# Altium PCB TD4_CPU.PcbDoc (part 2 of 3)
Units mil, origin at the board's own origin, x right, y up, seen from the top; angles counter-clockwise.
Board outline 4020 x 7560 mil, 2 copper layers (Top Layer, Bottom Layer); 361 components, 295 nets, 1160 pads, 333 vias.
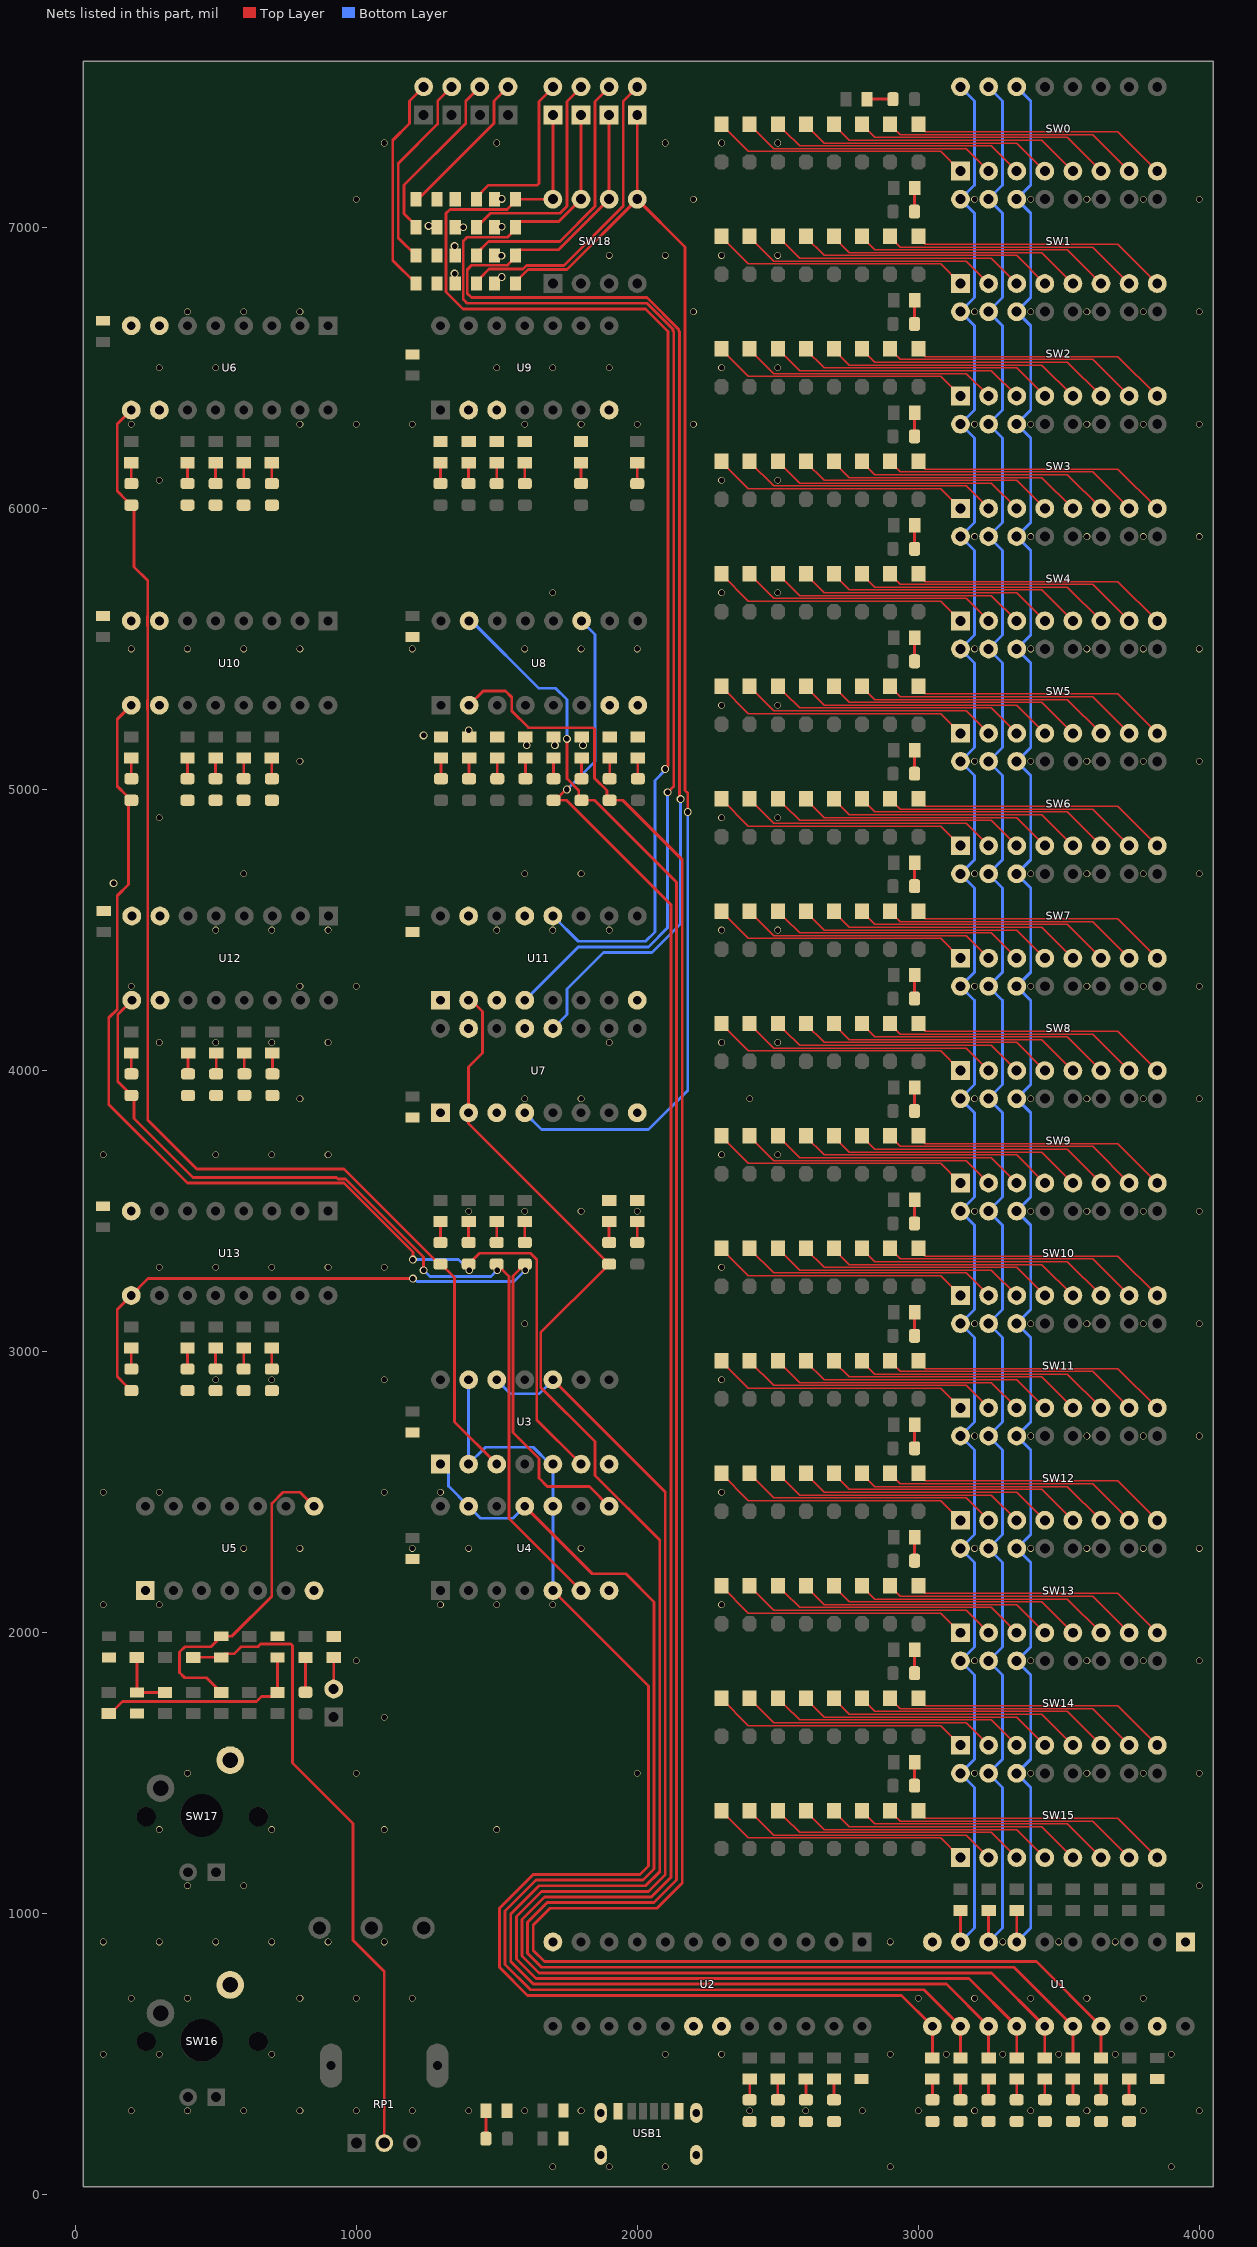
[diagram p2: the nets of this part, all layers, seen from the top]

## Via types
v1: diameter 23.62, hole 19.68, Top Layer to Bottom Layer, tented both sides, 253 vias
v2: diameter 27.56, hole 19.68, Top Layer to Bottom Layer, tented both sides, 77 vias
v3: diameter 39.37, hole 27.56, Top Layer to Bottom Layer, tented both sides, 3 vias

## Nets (pads, with @x,y where several pads share a name; then routed paths per layer and width w, separated by ;. In a path a pad name is that pad's centre, name@x,y a point inside that pad or via, vN(x,y) a via of type N, cw(c..) or ccw(c..) an arc to the next point about the centre after c; other vN are vias at no path point) (continued)
Data1: LED45.1 R26.2 U1.17 U8.2 | length 7738.7
  Top Layer w10: U8.2@1402,5300 1452,5350 1531.7,5350 1553.7,5328 1553.7,5279.39 1613.09,5220 1842.39,5220 1848.25,5214.14 1848.25,5040.28 1891.93,4996.6 1891.93,4971.67 LED45.1@1902,4961.6 1948.4,4961.6 2160,4750 2160,4630 2160,1110 2070,1020 1690,1020 1630,960 1630,870 1670,830 3420,830 U1.17@3650,600 R26.2@3650,487.4
Data2: LED52.1 R28.2 U1.16 U8.15 | length 7715
  Top Layer w10: v2(1750,5180) 1750,5038.53 1791.93,4996.6 1791.93,4971.67 LED52.1@1802,4961.6 1848.25,4961.6 2140,4669.85 2140,1120 2060,1040 1680,1040 1610,970 1610,860 1660,810 3340,810 U1.16@3550,600 R28.2@3550,487.4
  Bottom Layer w10: U8.15@1402,5600 1410.52,5591.48 1418.52,5591.48 1650,5360 1710,5360 1750,5320 v2(1750,5180)
Data3: LED59.1 R31.2 U1.15 U8.11 | length 7564
  Top Layer w10: LED59.1@1702,4961.6 LED59.1@1709.3,4961.6 ; v2@1757.54,5009.13 v2@1750,5001.6 ; R31.2@3450,487.4 U1.15@3450,600 3260,790 1660,790 1650,790 1590,850 1590,980 1670,1060 2050,1060 2120,1130 2120,4590 1748.4,4961.6 LED59.1@1709.3,4961.6 ; LED59.1@1709.3,4961.6 1745.4,4997.7 1745.4,5000 v2@1748.4,5000 ; v2@1748.4,5000 v2@1750,5001.6 ; v2@1748.4,5000 v2(1750,5000) v2@1750,5001.6
  Bottom Layer w10: v2(1750,5000) 1850,5100 1850,5552 U8.11@1802,5600
Data4: R34.2 U1.14 U3.10 U3.12 | length 4901.2
  Top Layer w10: U3.10@1700,2900 2100,2500 2100,1140 2040,1080 1660,1080 1570,990 1570,840 1640,770 1660,770 3180,770 U1.14@3350,600 R34.2@3350,487.4
  Bottom Layer w10: U3.12@1500,2900 1550,2850 1650,2850 U3.10@1700,2900
Data5: LED34.1 R37.2 U1.13 U7.2 U11.2 | length 6302
  Top Layer w10: U11.2@1400,4250 1410,4250 1450,4210 1450,4062.7 1400,4012.7 U7.2@1400,3850 1400,3811.6 LED34.1@1900,3311.6 1897.71,3311.6 1883.09,3296.98 1883.09,3294.69 1656.46,3068.06 1656.46,2873.54 1850,2680 1850,2560.05 2080,2330.05 2080,1150 2030,1100 1650,1100 1550,1000 1550,830 1630,750 1660,750 3100,750 U1.13@3250,600 R37.2@3250,487.4
Data6: R39.2 U1.12 U3.1 U4.11 U4.13 | length 4583.3
  Top Layer w10: U4.11@1600,2450 1840,2210 1960,2210 2060,2110 2060,1160 2020,1120 1640,1120 1530,1010 1530,820 1620,730 1660,730 3020,730 U1.12@3150,600 R39.2@3150,487.4
  Bottom Layer w10: U3.1@1300,2600 1328.46,2571.54 1328.46,2521.54 U4.13@1400,2450 1442.46,2407.54 1557.54,2407.54 U4.11@1600,2450
Data7: R40.2 U1.11 U3.2 U3.5 U3.13 U4.5 U4.10 | length 4762.1
  Top Layer w10: U4.5@1700,2150 2040,1810 2040,1170 2010,1140 1630.25,1140 1510,1019.75 1510,810 1610,710 1660,710 2940,710 U1.11@3050,600 R40.2@3050,487.4
  Bottom Layer w10: U3.13@1400,2900 U3.2@1400,2600 1460,2660 1630,2660 1690,2600 U3.5@1700,2600 U4.10@1700,2450 U4.5@1700,2150
GND: C1.1 C2.1 C3.1 C4.1 C5.1 C6.1 C7.1 C8.1 C9.1 C10.1 C11.1 C12.1 C13.1 C14.1 C15.1 C16.1 C18.1 LED16.2 LED17.2 LED19.2 LED21.2 LED22.2 LED24.2 LED25.2 LED27.2 LED28.2 LED29.2 LED30.2 LED31.2 LED41.2 LED42.2 LED48.2 LED49.2 LED55.2 LED56.2 LED62.2 LED63.2 LED66.2 LED67.2 LED68.2 LED69.2 LED70.2 LED71.2 LED72.2 LED73.2 R42.1 R43.1 R44.1 R46.1 R47.1 R48.1 R49.1 R52.1 R53.1 R54.1 R55.1 R56.1 R59.1 R60.1 R61.1 R62.1 R63.1 R66.1 R67.1 R68.1 R69.1 R70.1 R73.1 R74.1 R85.2 R86.2 R87.2 R88.2 R97.1 SW16.2 SW17.2 U1.1 U1.10 U1.19 U2.12 U2.18 U2.19 U3.7 U4.7 U5.1 U5.7 U6.7 U6.8 U6.10 U7.1 U7.3 U7.8 U7.13 U7.15 U8.7 U8.8 U9.2 U9.3 U9.7 U10.7 U10.8 U10.10 U11.1 U11.3 U11.8 U11.13 U11.15 U12.7 U12.8 U12.10 U13.8 USB1.0 USB1.A12 USB1.B12
  other v1: 1700,100 1900,100 2100,100 2900,100 3900,100 200,300 400,300 600,300 800,300 1000,300 1200,300 1400,300 1600,300 1800,300 2400,300 2600,300 2800,300 3000,300 3200,300 3400,300 3600,300 3800,300 4000,300 100,500 300,500 700,500 2100,500 2300,500 2900,500 3100,500 3300,500 3500,500 3700,500 3900,500 200,700 400,700 800,700 1000,700 1200,700 3000,700 3200,700 3400,700 3600,700 3800,700 100,900 300,900 500,900 700,900 900,900 1100,900 2900,900 3300,900 3500,900 3700,900 400,1100 600,1100 4000,1100 300,1300 700,1300 1100,1300 1500,1300 400,1500 1000,1500 2000,1500 3200,1500 3400,1500 3600,1500 3800,1500 4000,1500 1100,1700 1000,1900 3200,1900 3400,1900 3600,1900 3800,1900 4000,1900 100,2100 300,2100 1300,2100 1500,2100 1700,2100 2300,2100 600,2300 800,2300 1200,2300 1400,2300 1800,2300 3200,2300 3400,2300 3600,2300 3800,2300 4000,2300 100,2500 300,2500 1100,2500 1300,2500 2300,2500 3200,2700 3400,2700 3600,2700 3800,2700 4000,2700 500,2900 700,2900 1100,2900 2300,2900 1600,3100 3200,3100 3400,3100 3600,3100 3800,3100 4000,3100 300,3300 500,3300 700,3300 900,3300 1100,3300 2300,3300 1400,3500 1600,3500 1800,3500 2000,3500 3200,3500 3400,3500 3600,3500 3800,3500 4000,3500 100,3700 500,3700 700,3700 900,3700 2300,3700 2500,3700 800,3900 1600,3900 1800,3900 2400,3900 3200,3900 3400,3900 3600,3900 3800,3900 4000,3900 300,4100 500,4100 700,4100 900,4100 1900,4100 2300,4100 2500,4100 200,4300 800,4300 1000,4300 3200,4300 3400,4300 3600,4300 3800,4300 4000,4300 500,4500 700,4500 900,4500 1500,4500 1700,4500 1900,4500 2300,4500 2500,4500 600,4700 1600,4700 1800,4700 3200,4700 3400,4700 3600,4700 3800,4700 4000,4700 300,4900 2300,4900 2500,4900 800,5100 3200,5100 3400,5100 3600,5100 3800,5100 4000,5100 2300,5300 2500,5300 200,5500 400,5500 600,5500 800,5500 1200,5500 1600,5500 1800,5500 2000,5500 3200,5500 3400,5500 3600,5500 3800,5500 4000,5500 1700,5700 2300,5700 2500,5700 3200,5900 3400,5900 3600,5900 3800,5900 4000,5900 300,6100 2300,6100 2500,6100 200,6300 800,6300 1000,6300 1200,6300 1600,6300 1800,6300 2000,6300 2200,6300 3200,6300 3400,6300 3600,6300 3800,6300 4000,6300 300,6500 500,6500 1500,6500 1700,6500 1900,6500 2300,6500 2500,6500 400,6700 600,6700 800,6700 2200,6700 3200,6700 3400,6700 3600,6700 3800,6700 4000,6700 1900,6900 2100,6900 2300,6900 2500,6900 1000,7100 2200,7100 3200,7100 3400,7100 3600,7100 3800,7100 4000,7100 1100,7300 1500,7300 2100,7300 2300,7300 2500,7300
  other v2: 137,4666.75 1607,5157.72 1707,5157.72 1807,5157.72 1240,5192.4 1401,5211 1517.59,6823.32 1350,6835.59 1517,6899 1350,6933.51 1380.62,7000 1518,7002 1257.72,7005 1517.59,7101
IN_0: LED44.1 R88.1 SW18.5 U7.4 | length 4768.6
  Top Layer w10: R88.1@1567.4,6800 1567.4,6805.91 1611.5,6850 1750,6850 SW18.5@2000,7100 ; LED44.1@2002,7400 2000,7398 SW18.5@2000,7100 ; v2(2180,4920) 2180,4986.6 2170,4996.6 2170,6930 SW18.5@2000,7100
  Bottom Layer w10: U7.4@1600,3850 1660,3790 2040,3790 2180,3930 v2(2180,4920)
IN_1: LED51.1 R87.1 SW18.6 U7.12 | length 4573.9
  Top Layer w10: LED51.1@1902,7400 1900,7398 SW18.6@1900,7100 1720.59,6920.59 1582.09,6920.59 1567.4,6905.91 1567.4,6894.09 1538.72,6865.41 1411.41,6865.41 1395.28,6849.28 1395.28,6764.72 1410,6750 2034.62,6750 2147.55,6637.07 2147.55,6632.04 2150,6629.6 2150,4996.6 v2@2150,4975
  Bottom Layer w10: U7.12@1700,4150 1750,4200 1750,4290 1880,4420 2051.95,4420 2154,4522.05 v2(2154,4966)
IN_2: LED58.1 R86.1 SW18.7 U11.4 | length 4541
  Top Layer w10: LED58.1@1802,7400 1800,7398 SW18.7@1800,7100 1720.59,7020.59 1582.09,7020.59 1567.4,7005.91 1567.4,6994.09 1538.01,6964.7 1394.7,6964.7 1381.28,6951.28 1381.28,6743.42 1394.7,6730 2034.82,6730 2127.55,6637.27 2127.55,6632.25 2130,6629.8 2130,5011 2129,5011 v2(2108,4990)
  Bottom Layer w10: U11.4@1600,4250 1790,4440 2040,4440 2108,4508 v2(2108,4990)
IN_3: LED65.1 R85.1 SW18.8 U11.12 | length 4403.4
  Top Layer w10: LED65.1@1702,7400 1700,7398 SW18.8@1700,7100 R85.1@1567.4,7100 1567.4,7094.09 1537.31,7064 1334,7064 1320,7050 1320,6770 1380,6710 2030,6710 2110,6630 2110,5084 v2(2099,5073)
  Bottom Layer w10: U11.12@1700,4550 1790,4460 2030,4460 2062.82,4492.82 2062.82,5032.31 2099,5068.49 v2(2099,5073)
L\o\a\d\0\: LED18.2 LED75.2 U3.3 U6.9 | length 4643.8
  Top Layer w10: U6.9@200,6350 150,6300 150,6061.6 183.09,6028.51 183.09,6026.22 197.71,6011.6 LED75.2@200,6011.6 210,6001.6 210,5791.95 258.46,5743.48 258.46,5618.52 257.54,5617.59 257.54,5582.41 258.46,5581.48 258.46,5318.52 257.54,5317.59 257.54,5282.41 258.46,5281.48 258.46,3824.54 433,3650 956.6,3650 1295,3311.6 LED18.2@1300,3311.6 1302.29,3311.6 1350,3263.89 1350,2750 U3.3@1500,2600
L\o\a\d\1\: LED20.2 LED76.2 U3.6 U10.9 | length 4073.3
  Top Layer w10: LED76.2@183.09,4978.51 150,5011.6 150,5250 U10.9@200,5300 ; LED76.2@200,4961.6 190,4951.6 190,4661.95 150,4621.95 150,4217.8 120,4187.8 120,3880 400,3600 956.6,3600 1202,3354.6 v2(1202,3327.54) ; LED20.2@1400,3311.6 1438.4,3350 1620,3350 1642.46,3327.54 1642.46,2757.54 U3.6@1800,2600
  Bottom Layer w10: v2(1202,3327.54) 1364.46,3327.54 v2(1402,3290)
L\o\a\d\2\: LED23.2 LED77.2 U4.6 U12.9 | length 3289.2
  Top Layer w10: LED77.2@185.09,3928.51 152,3961.6 152,4200 U12.9@202,4250 ; LED77.2@200,3911.6 210,3901.6 210,3830 420,3620 930,3620 936,3614 962.4,3614 1240,3336.4 v2(1240,3290) ; LED23.2@1500,3311.6 1543.54,3268.06 1543.54,2406.46 U4.6@1800,2150
  Bottom Layer w10: v2(1240,3290) 1262.78,3267.22 1479.22,3267.22 v2(1502,3290)
L\o\a\d\3\: LED26.2 LED78.2 U4.8 U13.9 | length 2912.4
  Top Layer w10: LED78.2@183.09,2878.51 150,2911.6 150,3150 U13.9@200,3200 260,3260 v2(1202,3260) ; LED26.2@1600,3311.6 1557.54,3269.13 1557.54,2712.46 1650,2620 1650,2550 1680,2520 1830,2520 U4.8@1900,2450
  Bottom Layer w10: v2(1202,3260) 1206.75,3260 1216.75,3250 1562,3250 v2(1602,3290)
NetC16_2: C16.2 R76.2 R77.1 | length 225.2
  Top Layer w10: R77.1@220,1912.6 C16.2@220,1787.4 R76.2@320,1787.4
NetC17_1: C17.1 R81.1 U5.8 | length 1184.5
  Top Layer w10: R81.1@525.91,1787.4 R81.1@520,1787.4 467.4,1840 390,1840 372,1858 372,1932 390,1950 482.59,1950 C17.1@520,1987.4 557.4,1987.4 700,2130 700,2460.05 739.95,2500 800,2500 U5.8@850,2450
NetC17_2: C17.2 R80.1 RP1.2 | length 2280.8
  Top Layer w10: R80.1@420,1912.6 C17.2@520,1912.6 532.5,1925.1 565.1,1925.1 590,1950 650,1950 660,1960 768.14,1960 774,1954.14 774,1537.02 989.08,1321.94 989.08,905.88 1100,794.96 RP1.2@1100,184.41
NetC18_2: C18.2 R83.2 R84.1 | length 756.2
  Top Layer w10: R84.1@120,1712.6 125.91,1712.6 168.59,1755.28 645.89,1755.28 663.32,1772.72 705.31,1772.72 R83.2@720,1787.4 C18.2@720,1912.6
NetD1_1: D1.1 SW0.1 | length 920.8
  Top Layer w5: D1.1@2300,7367.5 2300,7365 2395,7270 3080,7270 SW0.1@3150,7200
NetD2_1: D2.1 SW0.2 | length 920.8
  Top Layer w5: D2.1@2400,7367.5 2400,7365 2485,7280 3170,7280 SW0.2@3250,7200
NetD3_1: D3.1 SW0.3 | length 920.8
  Top Layer w5: D3.1@2500,7367.5 2500,7365 2522.5,7342.5 2525,7342.5 2577.5,7290 3260,7290 SW0.3@3350,7200
NetD4_1: D4.1 SW0.4 | length 920.8
  Top Layer w5: D4.1@2600,7367.5 2600,7365 2665,7300 3350,7300 SW0.4@3450,7200
NetD5_1: D5.1 SW0.5 | length 920.8
  Top Layer w5: D5.1@2700,7367.5 2700,7365 2755,7310 3440,7310 SW0.5@3550,7200
NetD6_1: D6.1 SW0.6 | length 920.8
  Top Layer w5: D6.1@2800,7367.5 2800,7365 2845,7320 3530,7320 SW0.6@3650,7200
NetD7_1: D7.1 SW0.7 | length 920.8
  Top Layer w5: D7.1@2900,7367.5 2900,7365 2935,7330 3620,7330 SW0.7@3750,7200
NetD8_1: D8.1 SW0.8 | length 920.8
  Top Layer w5: D8.1@3000,7367.5 3000,7365 3025,7340 3710,7340 SW0.8@3850,7200
NetD9_1: D9.1 SW1.1 | length 920.8
  Top Layer w5: D9.1@2300,6967.5 2300,6965 2395,6870 3080,6870 SW1.1@3150,6800
NetD10_1: D10.1 SW1.2 | length 920.8
  Top Layer w5: D10.1@2400,6967.5 2400,6965 2485,6880 3170,6880 SW1.2@3250,6800
NetD11_1: D11.1 SW1.3 | length 920.8
  Top Layer w5: D11.1@2500,6967.5 2500,6965 2522.5,6942.5 2525,6942.5 2577.5,6890 3260,6890 SW1.3@3350,6800
NetD12_1: D12.1 SW1.4 | length 920.8
  Top Layer w5: D12.1@2600,6967.5 2600,6965 2665,6900 3350,6900 SW1.4@3450,6800
NetD13_1: D13.1 SW1.5 | length 920.8
  Top Layer w5: D13.1@2700,6967.5 2700,6965 2755,6910 3440,6910 SW1.5@3550,6800
NetD14_1: D14.1 SW1.6 | length 920.8
  Top Layer w5: D14.1@2800,6967.5 2800,6965 2845,6920 3530,6920 SW1.6@3650,6800
NetD15_1: D15.1 SW1.7 | length 920.8
  Top Layer w5: D15.1@2900,6967.5 2900,6965 2935,6930 3620,6930 SW1.7@3750,6800
NetD16_1: D16.1 SW1.8 | length 920.8
  Top Layer w5: D16.1@3000,6967.5 3000,6965 3025,6940 3710,6940 SW1.8@3850,6800
NetD17_1: D17.1 SW2.1 | length 920.8
  Top Layer w5: D17.1@2300,6567.5 2300,6565 2395,6470 3080,6470 SW2.1@3150,6400
NetD18_1: D18.1 SW2.2 | length 920.8
  Top Layer w5: D18.1@2400,6567.5 2400,6565 2485,6480 3170,6480 SW2.2@3250,6400
NetD19_1: D19.1 SW2.3 | length 920.8
  Top Layer w5: D19.1@2500,6567.5 2500,6565 2522.5,6542.5 2525,6542.5 2577.5,6490 3260,6490 SW2.3@3350,6400
NetD20_1: D20.1 SW2.4 | length 920.8
  Top Layer w5: D20.1@2600,6567.5 2600,6565 2665,6500 3350,6500 SW2.4@3450,6400
NetD21_1: D21.1 SW2.5 | length 920.8
  Top Layer w5: D21.1@2700,6567.5 2700,6565 2755,6510 3440,6510 SW2.5@3550,6400
NetD22_1: D22.1 SW2.6 | length 920.8
  Top Layer w5: D22.1@2800,6567.5 2800,6565 2845,6520 3530,6520 SW2.6@3650,6400
NetD23_1: D23.1 SW2.7 | length 920.8
  Top Layer w5: D23.1@2900,6567.5 2900,6565 2935,6530 3620,6530 SW2.7@3750,6400
NetD24_1: D24.1 SW2.8 | length 920.8
  Top Layer w5: D24.1@3000,6567.5 3000,6565 3025,6540 3710,6540 SW2.8@3850,6400
NetD25_1: D25.1 SW3.1 | length 920.8
  Top Layer w5: D25.1@2300,6167.5 2300,6165 2395,6070 3080,6070 SW3.1@3150,6000
NetD26_1: D26.1 SW3.2 | length 920.8
  Top Layer w5: D26.1@2400,6167.5 2400,6165 2485,6080 3170,6080 SW3.2@3250,6000
NetD27_1: D27.1 SW3.3 | length 920.8
  Top Layer w5: D27.1@2500,6167.5 2500,6165 2522.5,6142.5 2525,6142.5 2577.5,6090 3260,6090 SW3.3@3350,6000
NetD28_1: D28.1 SW3.4 | length 920.8
  Top Layer w5: D28.1@2600,6167.5 2600,6165 2665,6100 3350,6100 SW3.4@3450,6000
NetD29_1: D29.1 SW3.5 | length 920.8
  Top Layer w5: D29.1@2700,6167.5 2700,6165 2755,6110 3440,6110 SW3.5@3550,6000
NetD30_1: D30.1 SW3.6 | length 920.8
  Top Layer w5: D30.1@2800,6167.5 2800,6165 2845,6120 3530,6120 SW3.6@3650,6000
NetD31_1: D31.1 SW3.7 | length 920.8
  Top Layer w5: D31.1@2900,6167.5 2900,6165 2935,6130 3620,6130 SW3.7@3750,6000
NetD32_1: D32.1 SW3.8 | length 920.8
  Top Layer w5: D32.1@3000,6167.5 3000,6165 3025,6140 3710,6140 SW3.8@3850,6000
NetD33_1: D33.1 SW4.1 | length 920.8
  Top Layer w5: D33.1@2300,5767.5 2300,5765 2395,5670 3080,5670 SW4.1@3150,5600
NetD34_1: D34.1 SW4.2 | length 920.8
  Top Layer w5: D34.1@2400,5767.5 2400,5765 2485,5680 3170,5680 SW4.2@3250,5600
NetD35_1: D35.1 SW4.3 | length 920.8
  Top Layer w5: D35.1@2500,5767.5 2500,5765 2522.5,5742.5 2525,5742.5 2577.5,5690 3260,5690 SW4.3@3350,5600
NetD36_1: D36.1 SW4.4 | length 920.8
  Top Layer w5: D36.1@2600,5767.5 2600,5765 2665,5700 3350,5700 SW4.4@3450,5600
NetD37_1: D37.1 SW4.5 | length 920.8
  Top Layer w5: D37.1@2700,5767.5 2700,5765 2755,5710 3440,5710 SW4.5@3550,5600
NetD38_1: D38.1 SW4.6 | length 920.8
  Top Layer w5: D38.1@2800,5767.5 2800,5765 2845,5720 3530,5720 SW4.6@3650,5600
NetD39_1: D39.1 SW4.7 | length 920.8
  Top Layer w5: D39.1@2900,5767.5 2900,5765 2935,5730 3620,5730 SW4.7@3750,5600
NetD40_1: D40.1 SW4.8 | length 920.8
  Top Layer w5: D40.1@3000,5767.5 3000,5765 3025,5740 3710,5740 SW4.8@3850,5600
NetD41_1: D41.1 SW5.1 | length 920.8
  Top Layer w5: D41.1@2300,5367.5 2300,5365 2395,5270 3080,5270 SW5.1@3150,5200
NetD42_1: D42.1 SW5.2 | length 920.8
  Top Layer w5: D42.1@2400,5367.5 2400,5365 2485,5280 3170,5280 SW5.2@3250,5200
NetD43_1: D43.1 SW5.3 | length 920.8
  Top Layer w5: D43.1@2500,5367.5 2500,5365 2522.5,5342.5 2525,5342.5 2577.5,5290 3260,5290 SW5.3@3350,5200
NetD44_1: D44.1 SW5.4 | length 920.8
  Top Layer w5: D44.1@2600,5367.5 2600,5365 2665,5300 3350,5300 SW5.4@3450,5200
NetD45_1: D45.1 SW5.5 | length 920.8
  Top Layer w5: D45.1@2700,5367.5 2700,5365 2755,5310 3440,5310 SW5.5@3550,5200
NetD46_1: D46.1 SW5.6 | length 920.8
  Top Layer w5: D46.1@2800,5367.5 2800,5365 2845,5320 3530,5320 SW5.6@3650,5200
NetD47_1: D47.1 SW5.7 | length 920.8
  Top Layer w5: D47.1@2900,5367.5 2900,5365 2935,5330 3620,5330 SW5.7@3750,5200
NetD48_1: D48.1 SW5.8 | length 920.8
  Top Layer w5: D48.1@3000,5367.5 3000,5365 3025,5340 3710,5340 SW5.8@3850,5200
NetD49_1: D49.1 SW6.1 | length 920.8
  Top Layer w5: D49.1@2300,4967.5 2300,4965 2395,4870 3080,4870 SW6.1@3150,4800
NetD50_1: D50.1 SW6.2 | length 920.8
  Top Layer w5: D50.1@2400,4967.5 2400,4965 2485,4880 3170,4880 SW6.2@3250,4800
NetD51_1: D51.1 SW6.3 | length 920.8
  Top Layer w5: D51.1@2500,4967.5 2500,4965 2522.5,4942.5 2525,4942.5 2577.5,4890 3260,4890 SW6.3@3350,4800
NetD52_1: D52.1 SW6.4 | length 920.8
  Top Layer w5: D52.1@2600,4967.5 2600,4965 2665,4900 3350,4900 SW6.4@3450,4800
NetD53_1: D53.1 SW6.5 | length 920.8
  Top Layer w5: D53.1@2700,4967.5 2700,4965 2755,4910 3440,4910 SW6.5@3550,4800
NetD54_1: D54.1 SW6.6 | length 920.8
  Top Layer w5: D54.1@2800,4967.5 2800,4965 2845,4920 3530,4920 SW6.6@3650,4800
NetD55_1: D55.1 SW6.7 | length 920.8
  Top Layer w5: D55.1@2900,4967.5 2900,4965 2935,4930 3620,4930 SW6.7@3750,4800
NetD56_1: D56.1 SW6.8 | length 920.8
  Top Layer w5: D56.1@3000,4967.5 3000,4965 3025,4940 3710,4940 SW6.8@3850,4800
NetD57_1: D57.1 SW7.1 | length 920.8
  Top Layer w5: D57.1@2300,4567.5 2300,4565 2395,4470 3080,4470 SW7.1@3150,4400
NetD58_1: D58.1 SW7.2 | length 920.8
  Top Layer w5: D58.1@2400,4567.5 2400,4565 2485,4480 3170,4480 SW7.2@3250,4400
NetD59_1: D59.1 SW7.3 | length 920.8
  Top Layer w5: D59.1@2500,4567.5 2500,4565 2522.5,4542.5 2525,4542.5 2577.5,4490 3260,4490 SW7.3@3350,4400
NetD60_1: D60.1 SW7.4 | length 920.8
  Top Layer w5: D60.1@2600,4567.5 2600,4565 2665,4500 3350,4500 SW7.4@3450,4400
NetD61_1: D61.1 SW7.5 | length 920.8
  Top Layer w5: D61.1@2700,4567.5 2700,4565 2755,4510 3440,4510 SW7.5@3550,4400
NetD62_1: D62.1 SW7.6 | length 920.8
  Top Layer w5: D62.1@2800,4567.5 2800,4565 2845,4520 3530,4520 SW7.6@3650,4400
NetD63_1: D63.1 SW7.7 | length 920.8
  Top Layer w5: D63.1@2900,4567.5 2900,4565 2935,4530 3620,4530 SW7.7@3750,4400
NetD64_1: D64.1 SW7.8 | length 920.8
  Top Layer w5: D64.1@3000,4567.5 3000,4565 3025,4540 3710,4540 SW7.8@3850,4400
NetD65_1: D65.1 SW8.1 | length 920.8
  Top Layer w5: D65.1@2300,4167.5 2300,4165 2395,4070 3080,4070 SW8.1@3150,4000
NetD66_1: D66.1 SW8.2 | length 920.8
  Top Layer w5: D66.1@2400,4167.5 2400,4165 2485,4080 3170,4080 SW8.2@3250,4000
NetD67_1: D67.1 SW8.3 | length 920.8
  Top Layer w5: D67.1@2500,4167.5 2500,4165 2522.5,4142.5 2525,4142.5 2577.5,4090 3260,4090 SW8.3@3350,4000
NetD68_1: D68.1 SW8.4 | length 920.8
  Top Layer w5: D68.1@2600,4167.5 2600,4165 2665,4100 3350,4100 SW8.4@3450,4000
NetD69_1: D69.1 SW8.5 | length 920.8
  Top Layer w5: D69.1@2700,4167.5 2700,4165 2755,4110 3440,4110 SW8.5@3550,4000
NetD70_1: D70.1 SW8.6 | length 920.8
  Top Layer w5: D70.1@2800,4167.5 2800,4165 2845,4120 3530,4120 SW8.6@3650,4000
NetD71_1: D71.1 SW8.7 | length 920.8
  Top Layer w5: D71.1@2900,4167.5 2900,4165 2935,4130 3620,4130 SW8.7@3750,4000
NetD72_1: D72.1 SW8.8 | length 920.8
  Top Layer w5: D72.1@3000,4167.5 3000,4165 3025,4140 3710,4140 SW8.8@3850,4000
NetD73_1: D73.1 SW9.1 | length 920.8
  Top Layer w5: D73.1@2300,3767.5 2300,3765 2395,3670 3080,3670 SW9.1@3150,3600
NetD74_1: D74.1 SW9.2 | length 920.8
  Top Layer w5: D74.1@2400,3767.5 2400,3765 2485,3680 3170,3680 SW9.2@3250,3600
NetD75_1: D75.1 SW9.3 | length 920.8
  Top Layer w5: D75.1@2500,3767.5 2500,3765 2522.5,3742.5 2525,3742.5 2577.5,3690 3260,3690 SW9.3@3350,3600
NetD76_1: D76.1 SW9.4 | length 920.8
  Top Layer w5: D76.1@2600,3767.5 2600,3765 2665,3700 3350,3700 SW9.4@3450,3600
NetD77_1: D77.1 SW9.5 | length 920.8
  Top Layer w5: D77.1@2700,3767.5 2700,3765 2755,3710 3440,3710 SW9.5@3550,3600
NetD78_1: D78.1 SW9.6 | length 920.8
  Top Layer w5: D78.1@2800,3767.5 2800,3765 2845,3720 3530,3720 SW9.6@3650,3600
NetD79_1: D79.1 SW9.7 | length 920.8
  Top Layer w5: D79.1@2900,3767.5 2900,3765 2935,3730 3620,3730 SW9.7@3750,3600
NetD80_1: D80.1 SW9.8 | length 920.8
  Top Layer w5: D80.1@3000,3767.5 3000,3765 3025,3740 3710,3740 SW9.8@3850,3600
NetD81_1: D81.1 SW10.1 | length 920.8
  Top Layer w5: D81.1@2300,3367.5 2300,3365 2395,3270 3080,3270 SW10.1@3150,3200
NetD82_1: D82.1 SW10.2 | length 920.8
  Top Layer w5: D82.1@2400,3367.5 2400,3365 2485,3280 3170,3280 SW10.2@3250,3200
NetD83_1: D83.1 SW10.3 | length 920.8
  Top Layer w5: D83.1@2500,3367.5 2500,3365 2522.5,3342.5 2525,3342.5 2577.5,3290 3260,3290 SW10.3@3350,3200
NetD84_1: D84.1 SW10.4 | length 920.8
  Top Layer w5: D84.1@2600,3367.5 2600,3365 2665,3300 3350,3300 SW10.4@3450,3200
NetD85_1: D85.1 SW10.5 | length 920.8
  Top Layer w5: D85.1@2700,3367.5 2700,3365 2755,3310 3440,3310 SW10.5@3550,3200
NetD86_1: D86.1 SW10.6 | length 920.8
  Top Layer w5: D86.1@2800,3367.5 2800,3365 2845,3320 3530,3320 SW10.6@3650,3200
NetD87_1: D87.1 SW10.7 | length 920.8
  Top Layer w5: D87.1@2900,3367.5 2900,3365 2935,3330 3620,3330 SW10.7@3750,3200
NetD88_1: D88.1 SW10.8 | length 920.8
  Top Layer w5: D88.1@3000,3367.5 3000,3365 3025,3340 3710,3340 SW10.8@3850,3200
NetD89_1: D89.1 SW11.1 | length 920.8
  Top Layer w5: D89.1@2300,2967.5 2300,2965 2395,2870 3080,2870 SW11.1@3150,2800
NetD90_1: D90.1 SW11.2 | length 920.8
  Top Layer w5: D90.1@2400,2967.5 2400,2965 2485,2880 3170,2880 SW11.2@3250,2800
NetD91_1: D91.1 SW11.3 | length 920.8
  Top Layer w5: D91.1@2500,2967.5 2500,2965 2522.5,2942.5 2525,2942.5 2577.5,2890 3260,2890 SW11.3@3350,2800
NetD92_1: D92.1 SW11.4 | length 920.8
  Top Layer w5: D92.1@2600,2967.5 2600,2965 2665,2900 3350,2900 SW11.4@3450,2800
NetD93_1: D93.1 SW11.5 | length 920.8
  Top Layer w5: D93.1@2700,2967.5 2700,2965 2755,2910 3440,2910 SW11.5@3550,2800
NetD94_1: D94.1 SW11.6 | length 920.8
  Top Layer w5: D94.1@2800,2967.5 2800,2965 2845,2920 3530,2920 SW11.6@3650,2800
NetD95_1: D95.1 SW11.7 | length 920.8
  Top Layer w5: D95.1@2900,2967.5 2900,2965 2935,2930 3620,2930 SW11.7@3750,2800
NetD96_1: D96.1 SW11.8 | length 920.8
  Top Layer w5: D96.1@3000,2967.5 3000,2965 3025,2940 3710,2940 SW11.8@3850,2800
NetD97_1: D97.1 SW12.1 | length 920.8
  Top Layer w5: D97.1@2300,2567.5 2300,2565 2395,2470 3080,2470 SW12.1@3150,2400
NetD98_1: D98.1 SW12.2 | length 920.8
  Top Layer w5: D98.1@2400,2567.5 2400,2565 2485,2480 3170,2480 SW12.2@3250,2400
NetD99_1: D99.1 SW12.3 | length 920.8
  Top Layer w5: D99.1@2500,2567.5 2500,2565 2522.5,2542.5 2525,2542.5 2577.5,2490 3260,2490 SW12.3@3350,2400
NetD100_1: D100.1 SW12.4 | length 920.8
  Top Layer w5: D100.1@2600,2567.5 2600,2565 2665,2500 3350,2500 SW12.4@3450,2400
NetD101_1: D101.1 SW12.5 | length 920.8
  Top Layer w5: D101.1@2700,2567.5 2700,2565 2755,2510 3440,2510 SW12.5@3550,2400
NetD102_1: D102.1 SW12.6 | length 920.8
  Top Layer w5: D102.1@2800,2567.5 2800,2565 2845,2520 3530,2520 SW12.6@3650,2400
NetD103_1: D103.1 SW12.7 | length 920.8
  Top Layer w5: D103.1@2900,2567.5 2900,2565 2935,2530 3620,2530 SW12.7@3750,2400
NetD104_1: D104.1 SW12.8 | length 920.8
  Top Layer w5: D104.1@3000,2567.5 3000,2565 3025,2540 3710,2540 SW12.8@3850,2400
NetD105_1: D105.1 SW13.1 | length 920.8
  Top Layer w5: D105.1@2300,2167.5 2300,2165 2395,2070 3080,2070 SW13.1@3150,2000
NetD106_1: D106.1 SW13.2 | length 920.8
  Top Layer w5: D106.1@2400,2167.5 2400,2165 2485,2080 3170,2080 SW13.2@3250,2000
NetD107_1: D107.1 SW13.3 | length 920.8
  Top Layer w5: D107.1@2500,2167.5 2500,2165 2522.5,2142.5 2525,2142.5 2577.5,2090 3260,2090 SW13.3@3350,2000
NetD108_1: D108.1 SW13.4 | length 920.8
  Top Layer w5: D108.1@2600,2167.5 2600,2165 2665,2100 3350,2100 SW13.4@3450,2000
NetD109_1: D109.1 SW13.5 | length 920.8
  Top Layer w5: D109.1@2700,2167.5 2700,2165 2755,2110 3440,2110 SW13.5@3550,2000
NetD110_1: D110.1 SW13.6 | length 920.8
  Top Layer w5: D110.1@2800,2167.5 2800,2165 2845,2120 3530,2120 SW13.6@3650,2000
NetD111_1: D111.1 SW13.7 | length 920.8
  Top Layer w5: D111.1@2900,2167.5 2900,2165 2935,2130 3620,2130 SW13.7@3750,2000
NetD112_1: D112.1 SW13.8 | length 920.8
  Top Layer w5: D112.1@3000,2167.5 3000,2165 3025,2140 3710,2140 SW13.8@3850,2000
NetD113_1: D113.1 SW14.1 | length 920.8
  Top Layer w5: D113.1@2300,1767.5 2300,1765 2395,1670 3080,1670 SW14.1@3150,1600
NetD114_1: D114.1 SW14.2 | length 920.8
  Top Layer w5: D114.1@2400,1767.5 2400,1765 2485,1680 3170,1680 SW14.2@3250,1600
NetD115_1: D115.1 SW14.3 | length 920.8
  Top Layer w5: D115.1@2500,1767.5 2500,1765 2522.5,1742.5 2525,1742.5 2577.5,1690 3260,1690 SW14.3@3350,1600
NetD116_1: D116.1 SW14.4 | length 920.8
  Top Layer w5: D116.1@2600,1767.5 2600,1765 2665,1700 3350,1700 SW14.4@3450,1600
NetD117_1: D117.1 SW14.5 | length 920.8
  Top Layer w5: D117.1@2700,1767.5 2700,1765 2755,1710 3440,1710 SW14.5@3550,1600
NetD118_1: D118.1 SW14.6 | length 920.8
  Top Layer w5: D118.1@2800,1767.5 2800,1765 2845,1720 3530,1720 SW14.6@3650,1600
NetD119_1: D119.1 SW14.7 | length 920.8
  Top Layer w5: D119.1@2900,1767.5 2900,1765 2935,1730 3620,1730 SW14.7@3750,1600
NetD120_1: D120.1 SW14.8 | length 920.8
  Top Layer w5: D120.1@3000,1767.5 3000,1765 3025,1740 3710,1740 SW14.8@3850,1600
NetD121_1: D121.1 SW15.1 | length 920.8
  Top Layer w5: D121.1@2300,1367.5 2300,1365 2395,1270 3080,1270 SW15.1@3150,1200
NetD122_1: D122.1 SW15.2 | length 920.8
  Top Layer w5: D122.1@2400,1367.5 2400,1365 2485,1280 3170,1280 SW15.2@3250,1200
NetD123_1: D123.1 SW15.3 | length 920.8
  Top Layer w5: D123.1@2500,1367.5 2500,1365 2522.5,1342.5 2525,1342.5 2577.5,1290 3260,1290 SW15.3@3350,1200
NetD124_1: D124.1 SW15.4 | length 920.8
  Top Layer w5: D124.1@2600,1367.5 2600,1365 2665,1300 3350,1300 SW15.4@3450,1200
NetD125_1: D125.1 SW15.5 | length 920.8
  Top Layer w5: D125.1@2700,1367.5 2700,1365 2755,1310 3440,1310 SW15.5@3550,1200
NetD126_1: D126.1 SW15.6 | length 920.8
  Top Layer w5: D126.1@2800,1367.5 2800,1365 2845,1320 3530,1320 SW15.6@3650,1200
NetD127_1: D127.1 SW15.7 | length 920.8
  Top Layer w5: D127.1@2900,1367.5 2900,1365 2935,1330 3620,1330 SW15.7@3750,1200
NetD128_1: D128.1 SW15.8 | length 920.8
  Top Layer w5: D128.1@3000,1367.5 3000,1365 3025,1340 3710,1340 SW15.8@3850,1200
NetLED0_1: LED0.1 R9.1 | length 92.4
  Top Layer w10: R9.1@2817.4,7456.25 LED0.1@2909.85,7456.25
NetLED1_1: LED1.1 R10.1 | length 84.1
  Top Layer w10: LED1.1@2986.65,7056.25 2986.65,7139.25 R10.1@2987.4,7140
NetLED2_1: LED2.1 R11.1 | length 84.1
  Top Layer w10: LED2.1@2986.65,6656.25 2986.65,6739.25 R11.1@2987.4,6740
NetLED3_1: LED3.1 R12.1 | length 84.1
  Top Layer w10: LED3.1@2986.65,6256.25 2986.65,6339.25 R12.1@2987.4,6340
NetLED4_1: LED4.1 R13.1 | length 84.1
  Top Layer w10: LED4.1@2986.65,5856.25 2986.65,5939.25 R13.1@2987.4,5940
NetLED5_1: LED5.1 R14.1 | length 84.1
  Top Layer w10: LED5.1@2986.65,5456.25 2986.65,5539.25 R14.1@2987.4,5540
NetLED6_1: LED6.1 R15.1 | length 84.1
  Top Layer w10: LED6.1@2986.65,5056.25 2986.65,5139.25 R15.1@2987.4,5140
NetLED7_1: LED7.1 R16.1 | length 84.1
  Top Layer w10: LED7.1@2986.65,4656.25 2986.65,4739.25 R16.1@2987.4,4740
NetLED8_1: LED8.1 R17.1 | length 84.1
  Top Layer w10: LED8.1@2986.65,4256.25 2986.65,4339.25 R17.1@2987.4,4340
NetLED9_1: LED9.1 R18.1 | length 84.1
  Top Layer w10: LED9.1@2986.65,3856.25 2986.65,3939.25 R18.1@2987.4,3940
NetLED10_1: LED10.1 R19.1 | length 84.1
  Top Layer w10: LED10.1@2986.65,3456.25 2986.65,3539.25 R19.1@2987.4,3540
NetLED11_1: LED11.1 R20.1 | length 84.1
  Top Layer w10: LED11.1@2986.65,3056.25 2986.65,3139.25 R20.1@2987.4,3140
NetLED12_1: LED12.1 R21.1 | length 84.1
  Top Layer w10: LED12.1@2986.65,2656.25 2986.65,2739.25 R21.1@2987.4,2740
NetLED13_1: LED13.1 R22.1 | length 84.1
  Top Layer w10: LED13.1@2986.65,2256.25 2986.65,2339.25 R22.1@2987.4,2340
NetLED14_1: LED14.1 R23.1 | length 84.1
  Top Layer w10: LED14.1@2986.65,1856.25 2986.65,1939.25 R23.1@2987.4,1940
NetLED15_1: LED15.1 R24.1 | length 84.1
  Top Layer w10: LED15.1@2986.65,1456.25 2986.65,1539.25 R24.1@2987.4,1540
NetLED16_1: LED16.1 R25.1 | length 74.2
  Top Layer w10: LED16.1@3750,338.4 R25.1@3750,412.6
NetLED17_1: LED17.1 R26.1 | length 74.2
  Top Layer w10: LED17.1@3650,338.4 R26.1@3650,412.6
NetLED18_1: LED18.1 R27.1 | length 74.2
  Top Layer w10: LED18.1@1300,3388.4 R27.1@1300,3462.6
NetLED19_1: LED19.1 R28.1 | length 74.2
  Top Layer w10: LED19.1@3550,338.4 R28.1@3550,412.6
NetLED20_1: LED20.1 R29.1 | length 74.2
  Top Layer w10: LED20.1@1400,3388.4 R29.1@1400,3462.6
NetLED21_1: LED21.1 R30.1 | length 74.2
  Top Layer w10: LED21.1@700,2938.4 R30.1@700,3012.6
NetLED22_1: LED22.1 R31.1 | length 74.2
  Top Layer w10: LED22.1@3450,338.4 R31.1@3450,412.6
NetLED23_1: LED23.1 R32.1 | length 74.2
  Top Layer w10: LED23.1@1500,3388.4 R32.1@1500,3462.6
NetLED24_1: LED24.1 R33.1 | length 74.2
  Top Layer w10: LED24.1@600,2938.4 R33.1@600,3012.6
NetLED25_1: LED25.1 R34.1 | length 74.2
  Top Layer w10: LED25.1@3350,338.4 R34.1@3350,412.6
NetLED26_1: LED26.1 R35.1 | length 74.2
  Top Layer w10: LED26.1@1600,3388.4 R35.1@1600,3462.6
NetLED27_1: LED27.1 R36.1 | length 74.2
  Top Layer w10: LED27.1@500,2938.4 R36.1@500,3012.6
NetLED28_1: LED28.1 R37.1 | length 74.2
  Top Layer w10: LED28.1@3250,338.4 R37.1@3250,412.6
NetLED29_1: LED29.1 R38.1 | length 74.2
  Top Layer w10: LED29.1@400,2938.4 R38.1@400,3012.6
NetLED30_1: LED30.1 R39.1 | length 74.2
  Top Layer w10: LED30.1@3150,338.4 R39.1@3150,412.6
NetLED31_1: LED31.1 R40.1 | length 74.2
  Top Layer w10: LED31.1@3050,338.4 R40.1@3050,412.6
NetLED32_1: LED32.1 R41.1 | length 74.2
  Top Layer w10: LED32.1@2000,6088.4 R41.1@2000,6162.6
NetLED33_2: LED33.2 R42.2 | length 74.2
  Top Layer w10: LED33.2@2000,3388.4 R42.2@2000,3462.6
NetLED34_2: LED34.2 R43.2 | length 74.2
  Top Layer w10: LED34.2@1900,3388.4 R43.2@1900,3462.6
NetLED35_2: LED35.2 R44.2 | length 124.2
  Top Layer w10: LED35.2@920,1788.4 R44.2@920,1912.6
NetLED36_1: LED36.1 R45.2 | length 124.2
  Top Layer w10: LED36.1@820,1788.4 R45.2@820,1912.6
NetLED37_2: LED37.2 R46.2 | length 74.2
  Top Layer w10: LED37.2@1800,6088.4 R46.2@1800,6162.6
NetLED38_2: LED38.2 R47.2 | length 74.2
  Top Layer w10: LED38.2@2002,5038.4 R47.2@2002,5112.6
NetLED39_2: LED39.2 R48.2 | length 74.2
  Top Layer w10: LED39.2@1602,5038.4 R48.2@1602,5112.6
NetLED40_2: LED40.2 R49.2 | length 74.2
  Top Layer w10: LED40.2@1600,6088.4 R49.2@1600,6162.6
NetLED41_1: LED41.1 R50.1 | length 74.2
  Top Layer w10: LED41.1@700,6088.4 R50.1@700,6162.6
NetLED42_1: LED42.1 R51.1 | length 74.2
  Top Layer w10: LED42.1@700,5038.4 R51.1@700,5112.6
NetLED43_2: LED43.2 R52.2 | length 539.7
  Top Layer w10: R52.2@1212.6,7100 1219.65,7100 1490,7370.35 1490,7450.01 LED43.2@1540,7500
NetLED44_2: LED44.2 R53.2 | length 1086.5
  Top Layer w10: R53.2@1427.4,6800 1427.4,6805.91 1442.09,6820.59 1472.91,6851.41 1593.11,6851.41 1605.7,6864 1739,6864 1950,7075 1950,7448 LED44.2@2002,7500
NetLED45_2: LED45.2 R54.2 | length 74.2
  Top Layer w10: LED45.2@1902,5038.4 R54.2@1902,5112.6
NetLED46_2: LED46.2 R55.2 | length 74.2
  Top Layer w10: LED46.2@1502,5038.4 R55.2@1502,5112.6
NetLED47_2: LED47.2 R56.2 | length 74.2
  Top Layer w10: LED47.2@1500,6088.4 R56.2@1500,6162.6
NetLED48_1: LED48.1 R57.1 | length 74.2
  Top Layer w10: LED48.1@600,6088.4 R57.1@600,6162.6
NetLED49_1: LED49.1 R58.1 | length 74.2
  Top Layer w10: LED49.1@600,5038.4 R58.1@600,5112.6
NetLED50_2: LED50.2 R59.2 | length 629.5
  Top Layer w10: R59.2@1212.6,7000 1212.6,7005.91 1170,7048.5 1170,7150 1390,7370 1390,7450.01 LED50.2@1440,7500
NetLED51_2: LED51.2 R60.2 | length 945.1
  Top Layer w10: R60.2@1427.4,6900 1427.4,6905.91 1471.5,6950 1725,6950 1850,7075 1850,7448 LED51.2@1902,7500
NetLED52_2: LED52.2 R61.2 | length 74.2
  Top Layer w10: LED52.2@1802,5038.4 R61.2@1802,5112.6
NetLED53_2: LED53.2 R62.2 | length 74.2
  Top Layer w10: LED53.2@1402,5038.4 R62.2@1402,5112.6
NetLED54_2: LED54.2 R63.2 | length 74.2
  Top Layer w10: LED54.2@1400,6088.4 R63.2@1400,6162.6
NetLED55_1: LED55.1 R64.1 | length 74.2
  Top Layer w10: LED55.1@500,6088.4 R64.1@500,6162.6
NetLED56_1: LED56.1 R65.1 | length 74.2
  Top Layer w10: LED56.1@500,5038.4 R65.1@500,5112.6
NetLED57_2: LED57.2 R66.2 | length 704.6
  Top Layer w10: R66.2@1212.6,6900 1150,6962.6 1150,7227.5 1290,7367.5 1290,7450.01 LED57.2@1340,7500
NetLED58_2: LED58.2 R67.2 | length 800.2
  Top Layer w10: R67.2@1427.4,7000 1477.4,7050 1725,7050 1750,7075 1750,7448 LED58.2@1802,7500
NetLED59_2: LED59.2 R68.2 | length 74.2
  Top Layer w10: LED59.2@1702,5038.4 R68.2@1702,5112.6
NetLED60_2: LED60.2 R69.2 | length 74.2
  Top Layer w10: LED60.2@1302,5038.4 R69.2@1302,5112.6
NetLED61_2: LED61.2 R70.2 | length 74.2
  Top Layer w10: LED61.2@1300,6088.4 R70.2@1300,6162.6
NetLED62_1: LED62.1 R71.1 | length 74.2
  Top Layer w10: LED62.1@400,6088.4 R71.1@400,6162.6
NetLED63_1: LED63.1 R72.1 | length 74.2
  Top Layer w10: LED63.1@400,5038.4 R72.1@400,5112.6
NetLED64_2: LED64.2 R73.2 | length 779.8
  Top Layer w10: R73.2@1212.6,6800 1130,6882.6 1130,7310 1190,7370 1190,7450.01 LED64.2@1240,7500
NetLED65_2: LED65.2 R74.2 | length 614.9
  Top Layer w10: R74.2@1427.4,7100 1427.4,7105.91 1471.5,7150 1644.14,7150 1650,7155.86 1650,7448 LED65.2@1702,7500
NetLED66_1: LED66.1 R89.1 | length 74.2
  Top Layer w10: LED66.1@702,3988.4 R89.1@702,4062.6
NetLED67_1: LED67.1 R90.1 | length 74.2
  Top Layer w10: LED67.1@2700,338.4 R90.1@2700,412.6
NetLED68_1: LED68.1 R91.1 | length 74.2
  Top Layer w10: LED68.1@602,3988.4 R91.1@602,4062.6
NetLED69_1: LED69.1 R92.1 | length 74.2
  Top Layer w10: LED69.1@2600,338.4 R92.1@2600,412.6
NetLED70_1: LED70.1 R93.1 | length 74.2
  Top Layer w10: LED70.1@502,3988.4 R93.1@502,4062.6
NetLED71_1: LED71.1 R94.1 | length 74.2
  Top Layer w10: LED71.1@2500,338.4 R94.1@2500,412.6
NetLED72_1: LED72.1 R95.1 | length 74.2
  Top Layer w10: LED72.1@402,3988.4 R95.1@402,4062.6
NetLED73_1: LED73.1 R96.1 | length 74.2
  Top Layer w10: LED73.1@2400,338.4 R96.1@2400,412.6
NetLED74_2: LED74.2 R97.2 | length 100.4
  Top Layer w10: LED74.2@1461.6,200 1461.6,299 R97.2@1462.6,300
NetLED75_1: LED75.1 R98.1 | length 74.2
  Top Layer w10: LED75.1@200,6088.4 R98.1@200,6162.6
NetLED76_1: LED76.1 R99.1 | length 74.2
  Top Layer w10: LED76.1@200,5038.4 R99.1@200,5112.6
NetLED77_1: LED77.1 R100.1 | length 74.2
  Top Layer w10: LED77.1@200,3988.4 R100.1@200,4062.6
NetLED78_1: LED78.1 R101.1 | length 74.2
  Top Layer w10: LED78.1@200,2938.4 R101.1@200,3012.6
NetR1_2: R1.2 SW0.16 SW1.16 SW2.16 SW3.16 SW4.16 SW5.16 SW6.16 SW7.16 SW8.16 SW9.16 SW10.16 SW11.16 SW12.16 SW13.16 SW14.16 SW15.16 U1.9 | length 7375.3
  Top Layer w10: U1.9@3150,900 R1.2@3150,1012.6
  Bottom Layer w10: U1.9@3150,900 3200,950 3200,1450 SW15.16@3150,1500 3200,1550 3200,1850 SW14.16@3150,1900 3200,1950 3200,2250 SW13.16@3150,2300 3200,2350 3200,2650 SW12.16@3150,2700 3200,2750 3200,3050 SW11.16@3150,3100 3200,3150 3200,3450 SW10.16@3150,3500 3200,3550 3200,3850 SW9.16@3150,3900 3200,3950 3200,4250 SW8.16@3150,4300 3200,4350 3200,4650 SW7.16@3150,4700 3200,4750 3200,5050 SW6.16@3150,5100 3200,5150 3200,5450 SW5.16@3150,5500 3200,5550 3200,5850 SW4.16@3150,5900 3200,5950 3200,6250 SW3.16@3150,6300 3200,6350 3200,6650 SW2.16@3150,6700 3200,6750 3200,7050 SW1.16@3150,7100 3200,7150 3200,7450 SW0.16@3150,7500
NetR2_2: R2.2 SW0.15 SW1.15 SW2.15 SW3.15 SW4.15 SW5.15 SW6.15 SW7.15 SW8.15 SW9.15 SW10.15 SW11.15 SW12.15 SW13.15 SW14.15 SW15.15 U1.8 | length 7375.3
  Top Layer w10: U1.8@3250,900 R2.2@3250,1012.6
  Bottom Layer w10: U1.8@3250,900 3300,950 3300,1450 SW15.15@3250,1500 3300,1550 3300,1850 SW14.15@3250,1900 3300,1950 3300,2250 SW13.15@3250,2300 3300,2350 3300,2650 SW12.15@3250,2700 3300,2750 3300,3050 SW11.15@3250,3100 3300,3150 3300,3450 SW10.15@3250,3500 3300,3550 3300,3850 SW9.15@3250,3900 3300,3950 3300,4250 SW8.15@3250,4300 3300,4350 3300,4650 SW7.15@3250,4700 3300,4750 3300,5050 SW6.15@3250,5100 3300,5150 3300,5450 SW5.15@3250,5500 3300,5550 3300,5850 SW4.15@3250,5900 3300,5950 3300,6250 SW3.15@3250,6300 3300,6350 3300,6650 SW2.15@3250,6700 3300,6750 3300,7050 SW1.15@3250,7100 3300,7150 3300,7450 SW0.15@3250,7500
NetR3_2: R3.2 SW0.14 SW1.14 SW2.14 SW3.14 SW4.14 SW5.14 SW6.14 SW7.14 SW8.14 SW9.14 SW10.14 SW11.14 SW12.14 SW13.14 SW14.14 SW15.14 U1.7 | length 7375.3
  Top Layer w10: U1.7@3350,900 R3.2@3350,1012.6
  Bottom Layer w10: U1.7@3350,900 3400,950 3400,1450 SW15.14@3350,1500 3400,1550 3400,1850 SW14.14@3350,1900 3400,1950 3400,2250 SW13.14@3350,2300 3400,2350 3400,2650 SW12.14@3350,2700 3400,2750 3400,3050 SW11.14@3350,3100 3400,3150 3400,3450 SW10.14@3350,3500 3400,3550 3400,3850 SW9.14@3350,3900 3400,3950 3400,4250 SW8.14@3350,4300 3400,4350 3400,4650 SW7.14@3350,4700 3400,4750 3400,5050 SW6.14@3350,5100 3400,5150 3400,5450 SW5.14@3350,5500 3400,5550 3400,5850 SW4.14@3350,5900 3400,5950 3400,6250 SW3.14@3350,6300 3400,6350 3400,6650 SW2.14@3350,6700 3400,6750 3400,7050 SW1.14@3350,7100 3400,7150 3400,7450 SW0.14@3350,7500